# KiCad board reviung_ish_56_lp.kicad_pcb
note: AISLER Project ID: WPRPZBAD
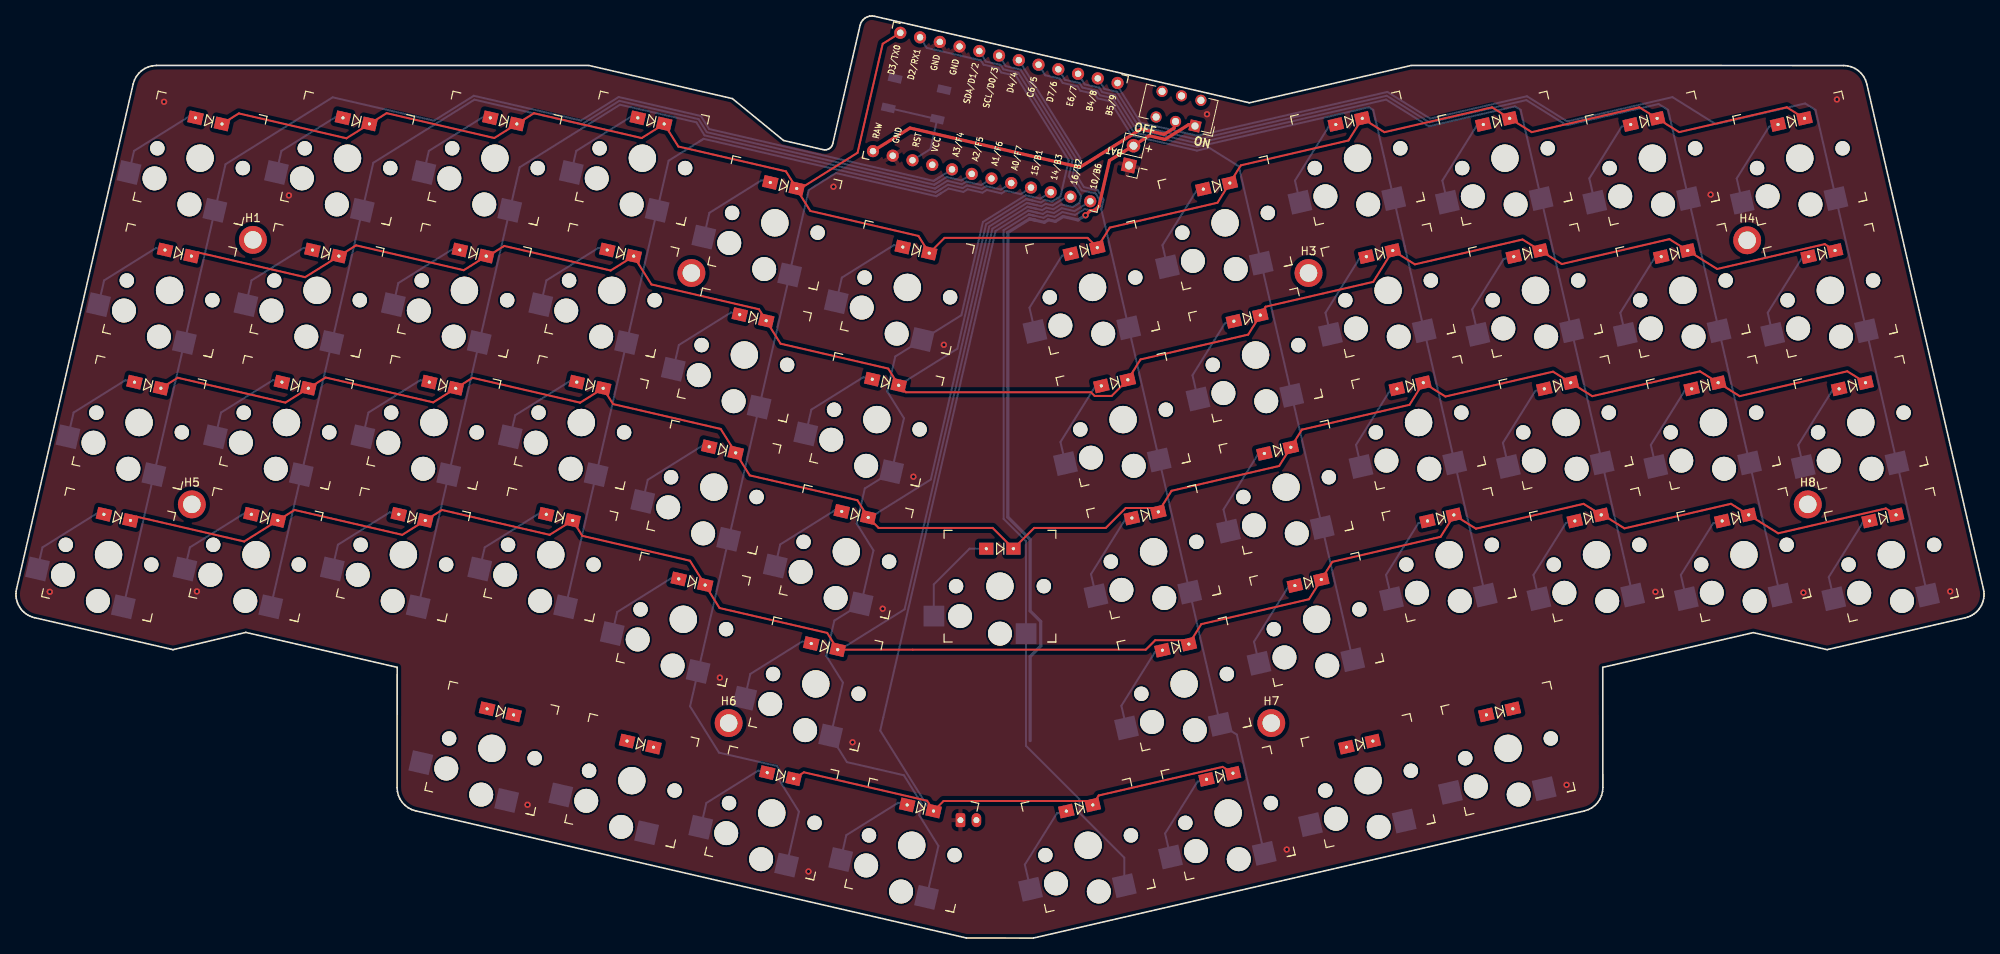
[diagram p0: board, top side]
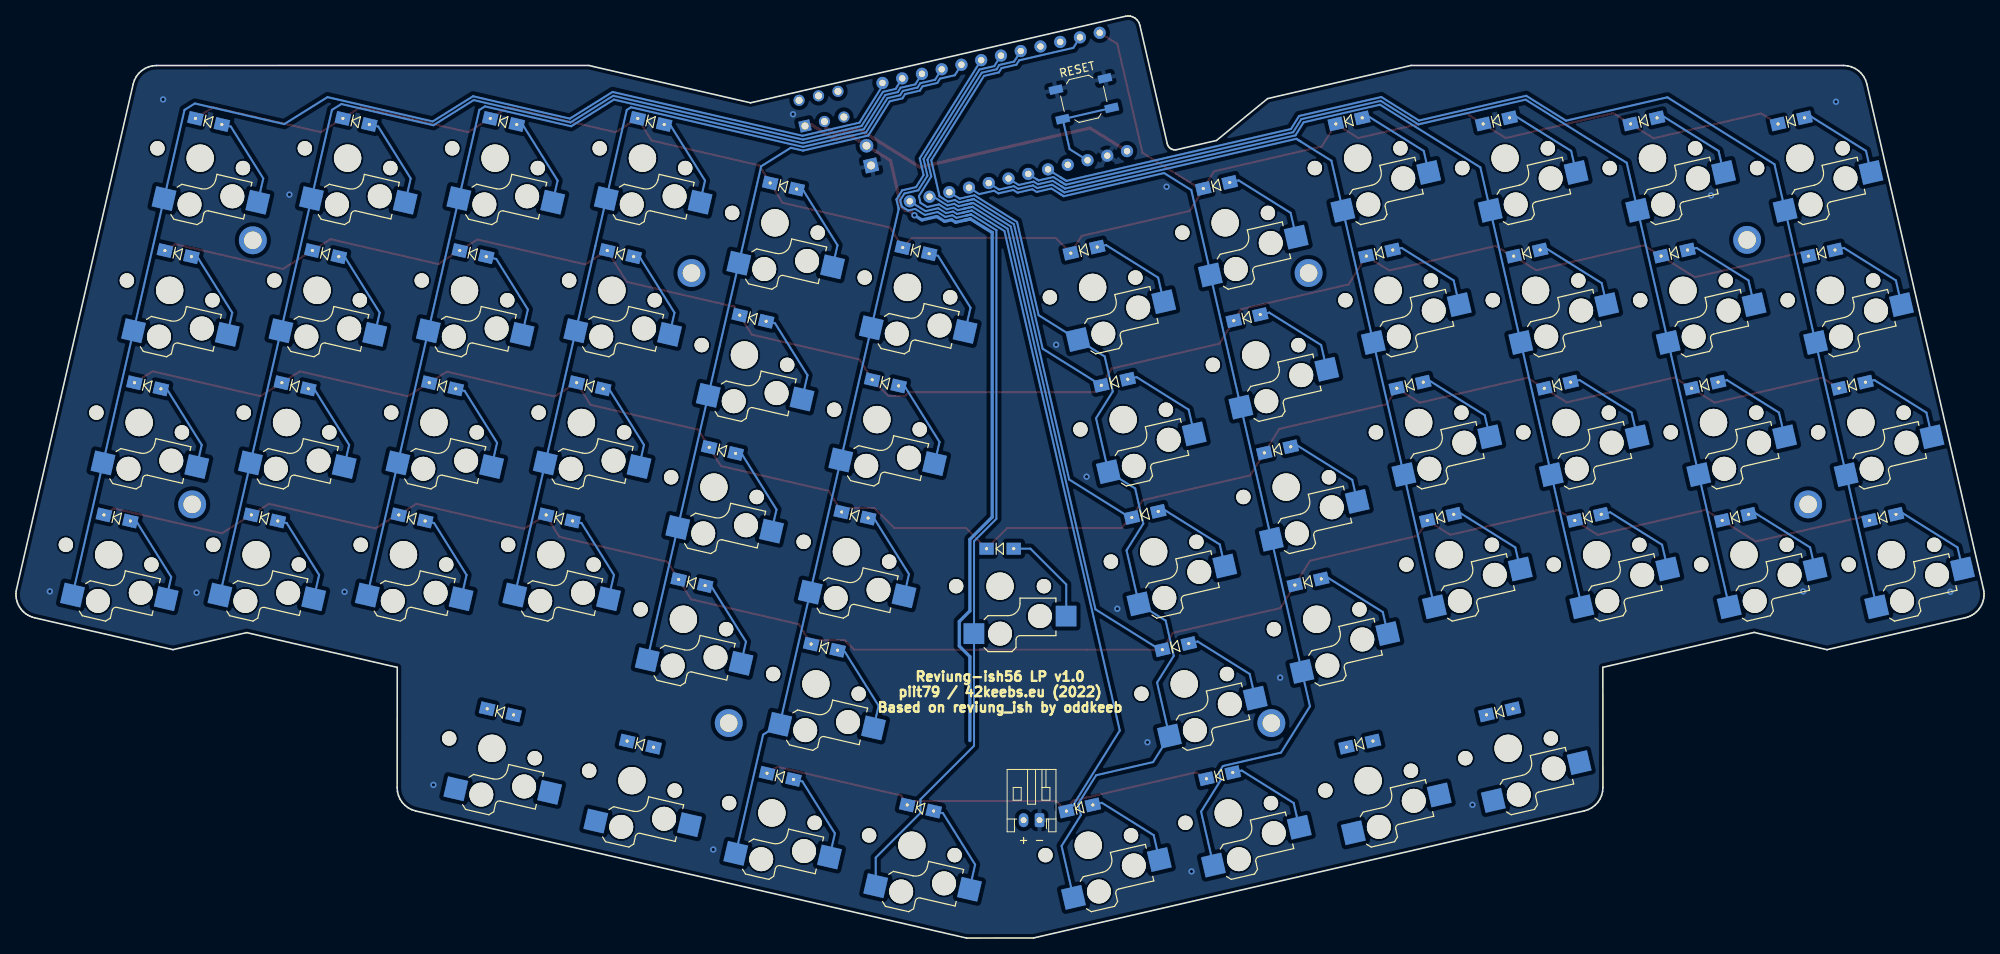
[diagram p1: board, bottom side, seen from below]

Outline 246.63 x 115.57 mm; copper layers: Top, Bottom. Coordinates in mm from the lower left corner of the outline.
Outline path: 0,43.16 0.01,42.87 0.04,42.58 0.1,42.29 0.19,42.01 0.31,41.74 0.45,41.49 0.62,41.24 0.82,41.02 1.03,40.81 1.26,40.63 1.5,40.47 1.76,40.34 2.04,40.23 2.32,40.15 19.68,36.14 28.8,38.31 47.77,33.93 47.76,18.87 47.8,18.35 47.93,17.86 48.13,17.41 48.41,17 48.75,16.64 49.15,16.34 49.59,16.1 50.08,15.94 119.11,0 127.5,0 196.54,15.93 197.03,16.09 197.47,16.32 197.87,16.62 198.21,16.99 198.49,17.4 198.69,17.85 198.82,18.34 198.86,18.86 198.85,33.93 217.7,38.28 226.95,36.14 244.3,40.14 244.6,40.23 244.88,40.34 245.14,40.48 245.39,40.64 245.61,40.82 245.82,41.02 246.01,41.24 246.17,41.48 246.31,41.73 246.43,41.99 246.52,42.27 246.58,42.55 246.62,42.84 246.63,43.14 246.6,43.44 246.55,43.74 231.94,107.03 231.78,107.52 231.55,107.97 231.24,108.37 230.88,108.7 230.47,108.98 230.02,109.19 229.53,109.31 229.02,109.36 174.83,109.36 154.57,104.68 107.58,115.53 107.29,115.57 106.99,115.55 106.71,115.47 106.38,115.3 106.11,115.05 105.91,114.75 105.78,114.41 102.36,99.56 102.3,99.37 102.2,99.2 102.07,99.06 101.92,98.94 101.74,98.85 101.55,98.8 101.35,98.79 101.16,98.81 96.19,99.96 89.78,105.21 71.79,109.36 17.61,109.36 17.09,109.32 16.61,109.19 16.15,108.98 15.74,108.71 15.38,108.37 15.08,107.97 14.84,107.53 14.68,107.04 0.08,43.75 0.02,43.46 0,43.16
Stack: Top 0.035mm / dielectric 1.51mm FR4 er 4.5 / Bottom 0.035mm

## Placement (name value [footprint] x y rotation side)
D_A0  D  [Diode_SOD123_dual_sided]  20.33 85.85 167 bottom
D_A1  D  [Diode_SOD123_dual_sided]  38.81 85.85 167 bottom
D_A2  D  [Diode_SOD123_dual_sided]  57.28 85.85 167 bottom
D_A3  D  [Diode_SOD123_dual_sided]  75.75 85.85 167 bottom
D_A4  D  [Diode_SOD123_dual_sided]  92.36 77.75 167 bottom
D_A5  D  [Diode_SOD123_dual_sided]  108.96 69.65 167 bottom
D_A6  D  [Diode_SOD123_dual_sided]  24.16 102.41 167 bottom
D_A7  D  [Diode_SOD123_dual_sided]  42.63 102.41 167 bottom
D_A8  D  [Diode_SOD123_dual_sided]  61.1 102.41 167 bottom
D_A9  D  [Diode_SOD123_dual_sided]  79.58 102.41 167 bottom
D_A10  D  [Diode_SOD123_dual_sided]  96.18 94.32 167 bottom
D_A11  D  [Diode_SOD123_dual_sided]  112.79 86.22 167 bottom
D_B0  D  [Diode_SOD123_dual_sided]  137.67 69.59 193 bottom
D_B1  D  [Diode_SOD123_dual_sided]  154.28 77.68 193 bottom
D_B2  D  [Diode_SOD123_dual_sided]  170.88 85.78 193 bottom
D_B3  D  [Diode_SOD123_dual_sided]  189.35 85.78 193 bottom
D_B4  D  [Diode_SOD123_dual_sided]  207.83 85.78 193 bottom
D_B5  D  [Diode_SOD123_dual_sided]  226.3 85.78 193 bottom
D_B6  D  [Diode_SOD123_dual_sided]  133.85 86.15 193 bottom
D_B7  D  [Diode_SOD123_dual_sided]  150.45 94.25 193 bottom
D_B8  D  [Diode_SOD123_dual_sided]  167.06 102.35 193 bottom
D_B9  D  [Diode_SOD123_dual_sided]  185.53 102.35 193 bottom
D_B10  D  [Diode_SOD123_dual_sided]  204 102.35 193 bottom
D_B11  D  [Diode_SOD123_dual_sided]  222.48 102.35 193 bottom
D_C0  D  [Diode_SOD123_dual_sided]  16.51 69.29 167 bottom
D_C1  D  [Diode_SOD123_dual_sided]  34.98 69.29 167 bottom
D_C2  D  [Diode_SOD123_dual_sided]  53.46 69.29 167 bottom
D_C3  D  [Diode_SOD123_dual_sided]  71.93 69.29 167 bottom
D_C4  D  [Diode_SOD123_dual_sided]  88.53 61.19 167 bottom
D_C5  D  [Diode_SOD123_dual_sided]  105.14 53.09 167 bottom
D_D0  D  [Diode_SOD123_dual_sided]  141.5 53.02 193 bottom
D_D1  D  [Diode_SOD123_dual_sided]  158.1 61.12 193 bottom
D_D2  D  [Diode_SOD123_dual_sided]  174.7 69.22 193 bottom
D_D3  D  [Diode_SOD123_dual_sided]  193.18 69.22 193 bottom
D_D4  D  [Diode_SOD123_dual_sided]  211.65 69.22 193 bottom
D_D5  D  [Diode_SOD123_dual_sided]  230.12 69.22 193 bottom
D_D6  D  [Diode_SOD123_dual_sided]  123.29 48.8 180 bottom
D_E0  D  [Diode_SOD123_dual_sided]  12.69 52.72 167 bottom
D_E1  D  [Diode_SOD123_dual_sided]  31.16 52.72 167 bottom
D_E2  D  [Diode_SOD123_dual_sided]  49.63 52.72 167 bottom
D_E3  D  [Diode_SOD123_dual_sided]  68.11 52.72 167 bottom
D_E4  D  [Diode_SOD123_dual_sided]  84.71 44.62 167 bottom
D_E5  D  [Diode_SOD123_dual_sided]  101.31 36.53 167 bottom
D_F0  D  [Diode_SOD123_dual_sided]  145.32 36.46 193 bottom
D_F1  D  [Diode_SOD123_dual_sided]  161.92 44.56 193 bottom
D_F2  D  [Diode_SOD123_dual_sided]  178.53 52.65 193 bottom
D_F3  D  [Diode_SOD123_dual_sided]  197 52.65 193 bottom
D_F4  D  [Diode_SOD123_dual_sided]  215.48 52.65 193 bottom
D_F5  D  [Diode_SOD123_dual_sided]  233.95 52.65 193 bottom
D_G0  D  [Diode_SOD123_dual_sided]  78.23 24.3 167 bottom
D_G1  D  [Diode_SOD123_dual_sided]  95.8 20.35 167 bottom
D_G2  D  [Diode_SOD123_dual_sided]  133.28 16.3 193 bottom
D_G3  D  [Diode_SOD123_dual_sided]  150.85 20.27 193 bottom
D_G4  D  [Diode_SOD123_dual_sided]  168.38 24.3 193 bottom
D_G5  D  [Diode_SOD123_dual_sided]  60.7 28.35 167 bottom
D_G6  D  [Diode_SOD123_dual_sided]  185.92 28.35 193 bottom
D_G7  D  [Diode_SOD123_dual_sided]  113.33 16.3 167 bottom
H1  Hole_Pad  [MountingHole_2.2mm_M2_ISO7380_Pad]  29.69 87.5 0 top
H2  Hole_Pad  [MountingHole_2.2mm_M2_ISO7380_Pad]  84.64 83.35 0 top
H3  Hole_Pad  [MountingHole_2.2mm_M2_ISO7380_Pad]  161.97 83.35 0 top
H4  Hole_Pad  [MountingHole_2.2mm_M2_ISO7380_Pad]  216.94 87.45 0 top
H5  Hole_Pad  [MountingHole_2.2mm_M2_ISO7380_Pad]  22.04 54.35 0 top
H6  Hole_Pad  [MountingHole_2.2mm_M2_ISO7380_Pad]  89.31 26.94 0 top
H7  Hole_Pad  [MountingHole_2.2mm_M2_ISO7380_Pad]  157.31 26.94 0 top
H8  Hole_Pad  [MountingHole_2.2mm_M2_ISO7380_Pad]  224.54 54.35 0 top
J1  BAT  [PinHeader_1x02_P2.54mm_Vertical]  139.47 96.83 167 top
J2  BATTERY  [JST_PH_S2B-PH-K_1x02_P2.00mm_Horizontal]  118.36 14.78 0 bottom
LOGO1  42_Keebs_Logo  [42Keebs-icon-10mm-Mask]  123.31 60 0 top
SW1  POWER  [SW_CuK_JS202011AQN_DPDT_Angled]  147.75 101.78 167 top
SW2  RESET  [SW_SPST_TL3342]  112.81 105.18 347 bottom
SwA0  SW_Push  [Kailh_socket_PG1350_1u_sw_cap]  19.25 81.18 347 top
SwA1  SW_Push  [Kailh_socket_PG1350_1u_sw_cap]  37.73 81.18 347 top
SwA2  SW_Push  [Kailh_socket_PG1350_1u_sw_cap]  56.2 81.18 347 top
SwA3  SW_Push  [Kailh_socket_PG1350_1u_sw_cap]  74.67 81.18 347 top
SwA4  SW_Push  [Kailh_socket_PG1350_1u_sw_cap]  91.28 73.08 347 top
SwA5  SW_Push  [Kailh_socket_PG1350_1u_sw_cap]  107.88 64.98 347 top
SwA6  SW_Push  [Kailh_socket_PG1350_1u_sw_cap]  23.08 97.74 347 top
SwA7  SW_Push  [Kailh_socket_PG1350_1u_sw_cap]  41.55 97.74 347 top
SwA8  SW_Push  [Kailh_socket_PG1350_1u_sw_cap]  60.02 97.74 347 top
SwA9  SW_Push  [Kailh_socket_PG1350_1u_sw_cap]  78.5 97.74 347 top
SwA10  SW_Push  [Kailh_socket_PG1350_1u_sw_cap]  95.1 89.64 347 top
SwA11  SW_Push  [Kailh_socket_PG1350_1u_sw_cap]  111.7 81.54 347 top
SwB0  SW_Push  [Kailh_socket_PG1350_1u_sw_cap]  138.74 64.98 13 top
SwB1  SW_Push  [Kailh_socket_PG1350_1u_sw_cap]  155.34 73.08 13 top
SwB2  SW_Push  [Kailh_socket_PG1350_1u_sw_cap]  171.94 81.18 13 top
SwB3  SW_Push  [Kailh_socket_PG1350_1u_sw_cap]  190.42 81.18 13 top
SwB4  SW_Push  [Kailh_socket_PG1350_1u_sw_cap]  208.89 81.18 13 top
SwB5  SW_Push  [Kailh_socket_PG1350_1u_sw_cap]  227.36 81.18 13 top
SwB6  SW_Push  [Kailh_socket_PG1350_1u_sw_cap]  134.91 81.54 13 top
SwB7  SW_Push  [Kailh_socket_PG1350_1u_sw_cap]  151.52 89.64 13 top
SwB8  SW_Push  [Kailh_socket_PG1350_1u_sw_cap]  168.12 97.74 13 top
SwB9  SW_Push  [Kailh_socket_PG1350_1u_sw_cap]  186.59 97.74 13 top
SwB10  SW_Push  [Kailh_socket_PG1350_1u_sw_cap]  205.07 97.74 13 top
SwB11  SW_Push  [Kailh_socket_PG1350_1u_sw_cap]  223.54 97.74 13 top
SwC0  SW_Push  [Kailh_socket_PG1350_1u_sw_cap]  15.43 64.61 347 top
SwC1  SW_Push  [Kailh_socket_PG1350_1u_sw_cap]  33.9 64.61 347 top
SwC2  SW_Push  [Kailh_socket_PG1350_1u_sw_cap]  52.37 64.61 347 top
SwC3  SW_Push  [Kailh_socket_PG1350_1u_sw_cap]  70.85 64.61 347 top
SwC4  SW_Push  [Kailh_socket_PG1350_1u_sw_cap_home]  87.45 56.51 347 top
SwC5  SW_Push  [Kailh_socket_PG1350_1u_sw_cap]  104.06 48.42 347 top
SwD0  SW_Push  [Kailh_socket_PG1350_1u_sw_cap]  142.56 48.42 13 top
SwD1  SW_Push  [Kailh_socket_PG1350_1u_sw_cap_home]  159.16 56.51 13 top
SwD2  SW_Push  [Kailh_socket_PG1350_1u_sw_cap]  175.77 64.61 13 top
SwD3  SW_Push  [Kailh_socket_PG1350_1u_sw_cap]  194.24 64.61 13 top
SwD4  SW_Push  [Kailh_socket_PG1350_1u_sw_cap]  212.72 64.61 13 top
SwD5  SW_Push  [Kailh_socket_PG1350_1u_sw_cap]  231.19 64.61 13 top
SwD6  SW_Push  [Kailh_socket_PG1350_1u_sw_cap]  123.31 44.1 0 top
SwE0  SW_Push  [Kailh_socket_PG1350_1u_sw_cap]  11.6 48.05 347 top
SwE1  SW_Push  [Kailh_socket_PG1350_1u_sw_cap]  30.08 48.05 347 top
SwE2  SW_Push  [Kailh_socket_PG1350_1u_sw_cap]  48.55 48.05 347 top
SwE3  SW_Push  [Kailh_socket_PG1350_1u_sw_cap]  67.02 48.05 347 top
SwE4  SW_Push  [Kailh_socket_PG1350_1u_sw_cap]  83.63 39.95 347 top
SwE5  SW_Push  [Kailh_socket_PG1350_1u_sw_cap]  100.23 31.85 347 top
SwF0  SW_Push  [Kailh_socket_PG1350_1u_sw_cap]  146.38 31.85 13 top
SwF1  SW_Push  [Kailh_socket_PG1350_1u_sw_cap]  162.99 39.95 13 top
SwF2  SW_Push  [Kailh_socket_PG1350_1u_sw_cap]  179.59 48.05 13 top
SwF3  SW_Push  [Kailh_socket_PG1350_1u_sw_cap]  198.07 48.05 13 top
SwF4  SW_Push  [Kailh_socket_PG1350_1u_sw_cap]  216.54 48.05 13 top
SwF5  SW_Push  [Kailh_socket_PG1350_1u_sw_cap]  235.01 48.05 13 top
SwG0  SW_Push  [Kailh_socket_PG1350_1u_sw_cap]  77.18 19.73 347 top
SwG1  SW_Push  [Kailh_socket_PG1350_1u_sw_cap]  94.72 15.68 347 top
SwG2  SW_Push  [Kailh_socket_PG1350_1u_sw_cap]  134.36 11.63 13 top
SwG3  SW_Push  [Kailh_socket_PG1350_1u_sw_cap]  151.9 15.68 13 top
SwG4  SW_Push  [Kailh_socket_PG1350_1u_sw_cap]  169.44 19.73 13 top
SwG5  SW_Push  [Kailh_socket_PG1350_1u_sw_cap]  59.64 23.78 347 top
SwG6  SW_Push  [Kailh_socket_PG1350_1u_sw_cap]  186.98 23.78 13 top
SwG7  SW_Push  [Kailh_socket_PG1350_1u_sw_cap]  112.26 11.63 347 top
U1  ProMicro  [ProMicro-USB-C]  123.22 102.78 77 top

## Footprints (pads in the part's own frame, mm; a bottom-side part is the same pattern mirrored in y, then rotated)
Diode_SOD123_dual_sided
  rect 1.8x1.5 hole 0.4: 1(-1.7,0) 2(1.7,0)
JST_PH_S2B-PH-K_1x02_P2.00mm_Horizontal
  rrect 1.2x1.75 hole 0.75: 1(0,0)
  oval 1.2x1.75 hole 0.75: 2(2,0)
Kailh_socket_PG1350_1u_sw_cap
  round 1.8 hole 1.8 unplated: (-5.5,0) (5.5,0)
  round 3 hole 3 unplated: (-5,-3.75) (0,-5.95)
  round 3.429 hole 3.429 unplated: (0,0)
  rect 2.6x2.6 smd far side: 1(3.275,-5.95) 2(-8.275,-3.75)
Kailh_socket_PG1350_1u_sw_cap_home
  round 1.8 hole 1.8 unplated: (-5.5,0) (5.5,0)
  round 3 hole 3 unplated: (-5,-3.75) (0,-5.95)
  round 3.429 hole 3.429 unplated: (0,0)
  rect 2.6x2.6 smd far side: 1(3.275,-5.95) 2(-8.275,-3.75)
MountingHole_2.2mm_M2_ISO7380_Pad
  round 3.5 hole 2.2: 1(0,0)
PinHeader_1x02_P2.54mm_Vertical
  rect 1.7x1.7 hole 1: 1(0,0)
  oval 1.7x1.7 hole 1: 2(0,-2.54)
ProMicro-USB-C
  round 1.524 hole 0.813: 1(7.611,14.478) 2(7.611,11.938) 3(7.611,9.398) 4(7.611,6.858) 5(7.611,4.318) 6(7.611,1.778) 7(7.611,-0.762) 8(7.611,-3.302) 9(7.611,-5.842) 10(7.611,-8.382) 11(7.611,-10.922) 12(7.611,-13.462) 13(-7.609,-13.462) 14(-7.609,-10.922) 15(-7.609,-8.382) 16(-7.609,-5.842) 17(-7.609,-3.302) 18(-7.609,-0.762) 19(-7.609,1.778) 20(-7.609,4.318) 21(-7.609,6.858) 22(-7.609,9.398) 23(-7.609,11.938) 24(-7.609,14.478)
SW_CuK_JS202011AQN_DPDT_Angled
  rect 1.4x1.4 hole 0.9: 1(0,0)
  round 1.4 hole 0.9: 2(2.5,0) 3(5,0) 4(0,-3.3) 5(2.5,-3.3) 6(5,-3.3)
SW_SPST_TL3342
  rect 1.7x1 smd: 1(-3.15,1.9) 1(3.15,1.9) 2(-3.15,-1.9) 2(3.15,-1.9)

## Nets
GND: J1.1 J2.1 SW2.2 U1.3 U1.4 U1.23
BAT: J1.2 J2.2 SW1.1
col0: SwA0.1 SwA6.1 SwC0.1 SwE0.1 U1.20
col1: SwA1.1 SwA7.1 SwC1.1 SwE1.1 U1.19
col2: SwA2.1 SwA8.1 SwC2.1 SwE2.1 SwG5.1 U1.18
col3: SwA3.1 SwA9.1 SwC3.1 SwE3.1 SwG0.1 U1.17
col4: SwA4.1 SwA10.1 SwC4.1 SwE4.1 SwG1.1 U1.16
col5: SwA5.1 SwA11.1 SwC5.1 SwE5.1 SwG7.1 U1.15
col6: SwD6.1 SwG2.1 U1.6
col7: SwB0.1 SwB6.1 SwD0.1 SwF0.1 SwG3.1 U1.7
col8: SwB1.1 SwB7.1 SwD1.1 SwF1.1 SwG4.1 U1.8
col9: SwB2.1 SwB8.1 SwD2.1 SwF2.1 SwG6.1 U1.9
col10: SwB3.1 SwB9.1 SwD3.1 SwF3.1 U1.10
col11: SwB4.1 SwB10.1 SwD4.1 SwF4.1 U1.11
col12: SwB5.1 SwB11.1 SwD5.1 SwF5.1 U1.12
RAW: SW1.2 U1.24
row0: D_A6.1 D_A7.1 D_A8.1 D_A9.1 D_A10.1 D_A11.1 D_B6.1 D_B7.1 D_B8.1 D_B9.1 D_B10.1 D_B11.1 U1.1
row1: D_A0.1 D_A1.1 D_A2.1 D_A3.1 D_A4.1 D_A5.1 D_B0.1 D_B1.1 D_B2.1 D_B3.1 D_B4.1 D_B5.1 U1.2
row2: D_C0.1 D_C1.1 D_C2.1 D_C3.1 D_C4.1 D_C5.1 D_D0.1 D_D1.1 D_D2.1 D_D3.1 D_D4.1 D_D5.1 D_D6.1 U1.14
row3: D_E0.1 D_E1.1 D_E2.1 D_E3.1 D_E4.1 D_E5.1 D_F0.1 D_F1.1 D_F2.1 D_F3.1 D_F4.1 D_F5.1 U1.5
row4: D_G0.1 D_G1.1 D_G2.1 D_G3.1 D_G4.1 D_G5.1 D_G6.1 D_G7.1 U1.13
RST: SW2.1 U1.22
Net-(D_A0-Pad2): D_A0.2 SwA0.2
Net-(D_A1-Pad2): D_A1.2 SwA1.2
Net-(D_A2-Pad2): D_A2.2 SwA2.2
Net-(D_A3-Pad2): D_A3.2 SwA3.2
Net-(D_A4-Pad2): D_A4.2 SwA4.2
Net-(D_A5-Pad2): D_A5.2 SwA5.2
Net-(D_A6-Pad2): D_A6.2 SwA6.2
Net-(D_A7-Pad2): D_A7.2 SwA7.2
Net-(D_A8-Pad2): D_A8.2 SwA8.2
Net-(D_A9-Pad2): D_A9.2 SwA9.2
Net-(D_A10-Pad2): D_A10.2 SwA10.2
Net-(D_A11-Pad2): D_A11.2 SwA11.2
Net-(D_B0-Pad2): D_B0.2 SwB0.2
Net-(D_B1-Pad2): D_B1.2 SwB1.2
Net-(D_B2-Pad2): D_B2.2 SwB2.2
Net-(D_B3-Pad2): D_B3.2 SwB3.2
Net-(D_B4-Pad2): D_B4.2 SwB4.2
Net-(D_B5-Pad2): D_B5.2 SwB5.2
Net-(D_B6-Pad2): D_B6.2 SwB6.2
Net-(D_B7-Pad2): D_B7.2 SwB7.2
Net-(D_B8-Pad2): D_B8.2 SwB8.2
Net-(D_B9-Pad2): D_B9.2 SwB9.2
Net-(D_B10-Pad2): D_B10.2 SwB10.2
Net-(D_B11-Pad2): D_B11.2 SwB11.2
Net-(D_C0-Pad2): D_C0.2 SwC0.2
Net-(D_C1-Pad2): D_C1.2 SwC1.2
Net-(D_C2-Pad2): D_C2.2 SwC2.2
Net-(D_C3-Pad2): D_C3.2 SwC3.2
Net-(D_C4-Pad2): D_C4.2 SwC4.2
Net-(D_C5-Pad2): D_C5.2 SwC5.2
Net-(D_D0-Pad2): D_D0.2 SwD0.2
Net-(D_D1-Pad2): D_D1.2 SwD1.2
Net-(D_D2-Pad2): D_D2.2 SwD2.2
Net-(D_D3-Pad2): D_D3.2 SwD3.2
Net-(D_D4-Pad2): D_D4.2 SwD4.2
Net-(D_D5-Pad2): D_D5.2 SwD5.2
Net-(D_D6-Pad2): D_D6.2 SwD6.2
Net-(D_E0-Pad2): D_E0.2 SwE0.2
Net-(D_E1-Pad2): D_E1.2 SwE1.2
Net-(D_E2-Pad2): D_E2.2 SwE2.2
Net-(D_E3-Pad2): D_E3.2 SwE3.2
Net-(D_E4-Pad2): D_E4.2 SwE4.2
Net-(D_E5-Pad2): D_E5.2 SwE5.2
Net-(D_F0-Pad2): D_F0.2 SwF0.2
Net-(D_F1-Pad2): D_F1.2 SwF1.2
Net-(D_F2-Pad2): D_F2.2 SwF2.2
Net-(D_F3-Pad2): D_F3.2 SwF3.2
Net-(D_F4-Pad2): D_F4.2 SwF4.2
Net-(D_F5-Pad2): D_F5.2 SwF5.2
Net-(D_G0-Pad2): D_G0.2 SwG0.2
Net-(D_G1-Pad2): D_G1.2 SwG1.2
Net-(D_G2-Pad2): D_G2.2 SwG2.2
Net-(D_G3-Pad2): D_G3.2 SwG3.2
Net-(D_G4-Pad2): D_G4.2 SwG4.2
Net-(D_G5-Pad2): D_G5.2 SwG5.2
Net-(D_G6-Pad2): D_G6.2 SwG6.2
Net-(D_G7-Pad2): D_G7.2 SwG7.2

Pads without a net: H1 1; H2 1; H3 1; H4 1; H5 1; H6 1; H7 1; H8 1; SW1 3 4 5 6; U1 21

## Via types
v1: diameter 0.8, hole 0.4, Top to Bottom, 21 vias

## Routing (per net, layer and track width the routed paths; a pad name or vN(x,y) marks a point on that pad's centre or on a via; arc(x,y) is an arc through that point)
GND:
  vias: v1(4.23,43.39) v1(18.56,104.81) v1(22.67,43.44) v1(34.21,93.08) v1(64.11,16.7) v1(88.21,32.64) v1(99.31,8.34) v1(102.44,94.16) v1(104.84,24.53) v1(108.62,41.27) v1(112.47,57.82) v1(116.28,74.36) v1(149.25,103.25) v1(159.25,11.09) v1(194.31,19.19) v1(205.45,43.39) v1(212.36,93.18) v1(223.99,43.29) v1(228.19,105.1) v1(242.38,43.44)
BAT: length 97.7
  Top w0.4: 140.05,99.33 142.01,100.56 144,100.1 146.97,101.96 SW1.1 ; v1(134.03,90.59) 134.61,91.17 135.16,91.17 135.71,91.72 137.03,97.44 140.02,99.31 J1.2
  Bottom w0.4: 127.72,89.97 128.86,89.71 129.37,90.02 130.25,89.82 131.23,90.43 133.09,90 v1(134.03,90.59) ; 127.72,89.97 127.02,90.13 ; 127.72,89.97 127.02,90.13 ; 127.09,24.75 127.09,35.28 128.42,36.6 128.42,39.67 127.09,41 127.09,49.96 124.29,52.76 124.29,88.42 124.3,88.44 127.02,90.13
col0: length 156
  Bottom w0.25: 115.76,95.37 117.29,96.33 ; 115.76,95.37 115,94.9 ; 115.76,95.37 115,94.9 ; 115,94.9 86.85,101.39 85.83,103.03 75.53,105.41 70.81,102.46 57.37,105.56 52.38,102.44 39.68,105.37 26.26,96.98 SwA6.1 SwA0.1 17.28,58.08 SwC0.1 SwE0.1
col1: length 138.8
  Bottom w0.25: 115.08,94.42 115.73,94.82 ; 115.08,94.42 86.57,101 85.55,102.63 75.61,104.93 70.88,101.97 57.44,105.08 44.78,97.16 SwA7.1 SwA1.1 35.75,58.08 SwE1.1 ; 115.08,94.42 115.73,94.82 ; 115.73,94.82 116.62,95.38 118.48,94.95 119.77,95.76
col2: length 121.1
  Bottom w0.25: 115.64,94.23 115.16,93.94 ; 115.64,94.23 116.7,94.9 118.56,94.47 119.1,94.81 120.95,94.38 122.24,95.19 ; 115.64,94.23 115.16,93.94 ; 115.16,93.94 86.29,100.6 85.27,102.23 75.69,104.45 63.12,96.59 SwA8.1 SwA2.1 SwC2.1 SwE2.1
col3: length 104.1
  Bottom w0.25: SwE3.1 72.7,58.08 SwA3.1 SwA9.1 81.79,97.43 85.66,99.85 ; 115.94,93.89 116.78,94.42 118.64,93.99 119.18,94.33 121.03,93.9 121.57,94.24 123.43,93.81 124.72,94.61 ; 115.94,93.89 115.24,93.46 ; 115.94,93.89 115.24,93.46 ; 85.66,99.85 86.17,100.17 ; 85.66,99.85 86.17,100.17 ; 115.24,93.46 86.17,100.17
col4: length 124.6
  Bottom w0.25: 115.87,93.32 115.32,92.97 102.75,95.88 99.35,93.75 96.91,83.18 SwA10.1 SwA4.1 SwC4.1 SwE4.1 84.47,29.04 88.1,23.24 95.39,21.55 95.87,20.77 95.65,19.79 98.12,15.84 SwG1.1 ; 115.87,93.32 115.32,92.98 ; 115.87,93.32 116.87,93.94 118.72,93.51 119.26,93.85 121.11,93.42 121.65,93.76 123.51,93.33 124.05,93.67 125.9,93.24 127.19,94.04
col5: length 113.5
  Bottom w0.25: U1.15 128.37,92.67 126.52,93.09 121.17,89.75 118.48,78.06 113.58,75 SwA11.1 113.55,74.99 110.19,72.89 109.18,68.5 111.28,65.14 SwA5.1 106.37,56.35 105.36,51.94 107.46,48.58 SwC5.1 102.55,39.79 101.53,35.37 103.63,32.02 SwE5.1 104.13,22.05 111.27,20.4 113.5,16.83 113.18,15.41 115.6,11.54 SwG7.1
col6: length 127.3
  Bottom w0.25: 126.93,90.69 123.77,88.72 123.77,88.72 123.77,52.54 126.57,49.74 126.57,38.15 ; 126.93,90.69 127.38,90.59 ; 126.93,90.69 127.57,90.54 ; 126.93,90.69 127.38,90.59 ; 126.57,38.14 SwD6.1 126.57,38.14 ; 126.57,38.14 126.57,24.09 133.28,17.38 133.28,15.68 138.89,10.07 SwG2.1 ; 123.2,110.61 124.03,109.28 125.88,108.85 132.89,97.64 132.41,95.54 133.55,93.72 135.29,93.32 135.81,92.49 135.62,91.69 134.81,91.18 133.94,91.38 132.72,90.62 131.13,90.99 130.15,90.38 129.27,90.58 128.77,90.27 127.57,90.54 ; 127.38,90.59 127.57,90.54
col7: length 106.8
  Bottom w0.25: U1.7 125.68,110.02 132.85,98.55 133.37,97.72 132.89,95.62 133.83,94.12 135.58,93.71 136.29,92.57 136.01,91.37 136.01,91.36 SwB6.1 SwB0.1 SwD0.1 SwF0.1 152.99,25.49 SwG3.1
col8: length 93.7
  Bottom w0.25: SwF1.1 SwD1.1 SwB1.1 SwB7.1 153.24,96.72 149.53,99.05 147.99,98.69 139.81,100.58 137.13,104.87 135.54,105.24 135.21,105.78 133.36,106.2 133.02,106.74 131.17,107.17 130.83,107.71 128.98,108.14 128.15,109.46
col9: length 106.6
  Bottom w0.25: SwF2.1 SwD2.1 SwB2.1 174.03,86.7 SwB8.1 170.09,103.79 169.54,104.13 148,99.15 140.09,100.98 137.42,105.27 135.83,105.63 135.49,106.17 133.64,106.6 133.31,107.14 131.45,107.57 130.62,108.89
col10: length 123.6
  Bottom w0.25: SwF3.1 SwD3.1 SwB3.1 SwB9.1 188.56,103.79 187.85,104.23 177.05,101.74 171.7,105.09 148,99.62 140.38,101.38 137.7,105.66 136.11,106.03 135.77,106.57 133.93,106.99 133.1,108.32
col11: length 140.5
  Bottom w0.25: SwF4.1 SwD4.1 SwB4.1 207.03,103.79 205.84,104.53 194.31,101.87 189.26,105.02 177.13,102.22 171.78,105.57 148,100.08 140.66,101.77 137.98,106.06 136.39,106.43 U1.11
col12: length 157.4
  Bottom w0.25: SwF5.1 SwD5.1 SwB5.1 SwB11.1 225.51,103.79 224.21,104.6 212.99,102.01 207.58,105.39 194.39,102.35 189.34,105.5 177.21,102.7 171.86,106.05 148.04,100.55 140.93,102.19 137.98,106.9
RAW: length 41.6
  Top w0.4: SW1.2 145.12,101.51 143.89,100.74 141.01,101.4 133.33,96.6 112.03,101.52 U1.24
row0: length 245.3
  Top w0.25: D_A10.1 97.83,93.88 99.54,91.13 113.09,88 D_A11.1 116.36,87.75 134.29,87.75 D_B6.1 137.07,89.04 150.56,92.16 153.49,96.85 166.98,99.96 D_B8.1 171.48,101 184.97,104.11 189.95,101 203.44,104.12 208.41,101.01 221.9,104.12 D_B11.1 ; D_A10.1 98.16,93.86 105.46,98.42 108.62,112.08 U1.1 ; D_A10.1 97.98,93.9 ; D_A10.1 96.49,96.09 83,99.2 D_A9.1 78.41,100.26 64.92,103.38 59.94,100.27 46.45,103.38 41.41,100.24 27.92,103.35 D_A6.1
row1: length 294.1
  Top w0.25: D_A0.1 22.75,85.94 36.24,82.83 42.62,86.82 56.11,83.7 D_A2.1 59.08,85.43 61.18,86.74 74.52,83.66 D_A3.1 79.63,81.92 93.12,78.8 D_A4.1 95.82,74.49 109.3,71.37 D_A5.1 110.65,69.27 111.52,68.4 134.72,68.4 135.17,67.94 137.31,67.94 D_B0.1 140.92,72.52 154.41,75.63 D_B1.1 156.6,79.13 170.09,82.24 D_B2.1 175.3,84.44 188.79,87.55 193.71,84.48 207.2,87.59 213.18,83.86 226.67,86.97 D_B5.1
  Bottom w0.25: D_A5.1 117.97,73.86 121.57,89.47 126.6,92.61 ; 113.3,112.89 114.13,111.57 120.92,110 121.26,109.46 123.12,109.03 123.46,108.49 125.32,108.06 131.93,97.48 130.89,92.96 129.83,92.3 128.95,92.5 128.45,92.19 127.39,92.43 ; 127.39,92.43 126.6,92.61 ; 127.39,92.43 126.6,92.61
row2: length 292
  Top w0.25: 142.66,53.9 142.35,53.9 ; 142.66,53.9 D_D0.1 144.81,56.05 158.3,59.17 159.76,61.5 161.14,63.72 174.63,66.83 D_D2.1 179.13,67.87 192.62,70.99 197.53,67.91 211.02,71.03 216,67.92 229.49,71.03 D_D5.1 ; 142.66,53.9 142.35,53.9 ; 142.35,53.9 139.07,53.9 136.57,51.4 127.6,51.4 D_D6.1 123.78,50.01 122.39,51.4 108.1,51.4 D_C5.1 105.44,54.87 91.95,57.98 88.32,63.81 74.83,66.92 D_C3.1 70.7,67.1 57.21,70.21 52.29,67.14 38.8,70.25 33.76,67.1 20.27,70.22 D_C0.1
  Bottom w0.25: 127.93,91.85 126.68,92.13 ; 127.93,91.85 126.68,92.13 ; 127.93,91.85 128.53,91.71 129.03,92.02 129.91,91.82 131.79,92.99 ; 126.68,92.13 121.97,89.19 114.65,57.47 106.96,52.67 D_C5.1
row3: length 338.9
  Top w0.25: D_F5.1 234.32,53.84 220.83,50.73 214.91,54.43 201.56,51.35 198.8,53.07 D_F3.1 196.44,54.42 182.95,51.31 D_F2.1 180.2,52.96 178.53,50.29 164.97,47.15 162.03,42.46 148.54,39.35 D_F0.1 146.48,37.33 142.77,37.33 141.59,36.14 112.38,36.14 D_E5.1 101.66,38.25 88.17,41.36 84.46,47.29 70.97,50.41 D_E3.1 66.87,50.53 53.38,53.65 48.4,50.54 34.91,53.65 D_E1.1 28.59,49.7 15.1,52.81 D_E0.1
  Bottom w0.25: 120.72,111.17 121.54,109.85 123.41,109.42 123.74,108.88 125.6,108.45 132.06,98.11 132.41,97.56 131.93,95.46 133.47,92.99 133.28,92.15 132.43,91.62 130.97,91.95 129.99,91.34 129.11,91.54 128.61,91.23 127.82,91.41 ; 127.82,91.41 126.76,91.65 ; 127.82,91.41 126.76,91.65 ; 126.76,91.65 122.36,88.9 111.35,41.19 103.19,36.09 D_E5.1
row4: length 149.5
  Top w0.25: D_G1.1 98.74,20.77 114.18,17.21 D_G7.1 116.25,17.18 134.44,17.18 D_G2.1 135.68,17.87 151.22,21.46 D_G3.1
  Bottom w0.25: D_G7.1 114.54,16.02 108.3,26 108.68,27.64 122.76,88.62 126.85,91.17 ; 128.01,90.9 126.85,91.17 ; 128.01,90.9 128.69,90.75 129.19,91.06 130.07,90.86 131.05,91.47 132.64,91.1 U1.13 ; 128.01,90.9 126.85,91.17
RST: length 12.8
  Bottom w0.25: SW2.1 SW2.1 114.59,98.87 112.34,97.47
Net-(D_A0-Pad2): length 11.9
  Bottom w0.25: D_A0.2 17.56,86.49 11.05,82.42 SwA0.2
Net-(D_A1-Pad2): length 11.9
  Bottom w0.25: D_A1.2 36.03,86.49 29.52,82.42 SwA1.2
Net-(D_A2-Pad2): length 11.7
  Bottom w0.25: D_A2.2 54.84,86.41 47.92,82.09 SwA2.2
Net-(D_A3-Pad2): length 11.9
  Bottom w0.25: D_A3.2 72.98,86.49 66.47,82.42 SwA3.2
Net-(D_A4-Pad2): length 11.9
  Bottom w0.25: SwA4.2 83.07,74.33 89.58,78.39 D_A4.2
Net-(D_A5-Pad2): length 11.9
  Bottom w0.25: D_A5.2 106.18,70.29 99.68,66.23 SwA5.2
Net-(D_A6-Pad2): length 11.7
  Bottom w0.25: SwA6.2 14.79,98.65 21.71,102.98 D_A6.2
Net-(D_A7-Pad2): length 11.7
  Bottom w0.25: D_A7.2 40.19,102.98 33.27,98.65 SwA7.2
Net-(D_A8-Pad2): length 11.7
  Bottom w0.25: SwA8.2 51.74,98.65 58.66,102.98 D_A8.2
Net-(D_A9-Pad2): length 11.7
  Bottom w0.25: SwA9.2 70.21,98.65 77.13,102.98 D_A9.2
Net-(D_A10-Pad2): length 11.9
  Bottom w0.25: D_A10.2 93.4,94.96 86.9,90.89 SwA10.2
Net-(D_A11-Pad2): length 11.9
  Bottom w0.25: SwA11.2 103.5,82.77 110.03,86.86 D_A11.2
Net-(D_B0-Pad2): length 11.7
  Bottom w0.25: SwB0.2 130.89,62.17 135.16,69.01 D_B0.2
Net-(D_B1-Pad2): length 11.9
  Bottom w0.25: D_B1.2 151.5,77.04 147.43,70.54 SwB1.2
Net-(D_B2-Pad2): length 11.7
  Bottom w0.25: D_B2.2 168.37,85.2 164.1,78.37 SwB2.2
Net-(D_B3-Pad2): length 12
  Bottom w0.25: D_B3.2 186.43,85.11 182.48,78.78 SwB3.2
Net-(D_B4-Pad2): length 11.7
  Bottom w0.25: D_B4.2 205.32,85.2 201.05,78.37 SwB4.2
Net-(D_B5-Pad2): length 11.7
  Bottom w0.25: SwB5.2 219.52,78.37 223.79,85.2 D_B5.2
Net-(D_B6-Pad2): length 11.9
  Bottom w0.25: D_B6.2 131.07,85.51 127.01,79 SwB6.2
Net-(D_B7-Pad2): length 11.7
  Bottom w0.25: SwB7.2 143.67,86.83 147.94,93.67 D_B7.2
Net-(D_B8-Pad2): length 11.7
  Bottom w0.25: SwB8.2 160.28,94.93 164.55,101.77 D_B8.2
Net-(D_B9-Pad2): length 11.7
  Bottom w0.25: SwB9.2 178.75,94.93 183.02,101.77 D_B9.2
Net-(D_B10-Pad2): length 11.9
  Bottom w0.25: D_B10.2 201.23,101.71 197.16,95.2 SwB10.2
Net-(D_B11-Pad2): length 11.9
  Bottom w0.25: SwB11.2 215.63,95.2 219.7,101.71 D_B11.2
Net-(D_C0-Pad2): length 11.9
  Bottom w0.25: SwC0.2 7.22,65.86 13.73,69.93 D_C0.2
Net-(D_C1-Pad2): length 11.9
  Bottom w0.25: D_C1.2 32.21,69.93 25.7,65.86 SwC1.2
Net-(D_C2-Pad2): length 11.9
  Bottom w0.25: D_C2.2 50.68,69.93 44.17,65.86 SwC2.2
Net-(D_C3-Pad2): length 11.7
  Bottom w0.25: SwC3.2 62.57,65.53 69.49,69.85 D_C3.2
Net-(D_C4-Pad2): length 11.7
  Bottom w0.25: D_C4.2 86.09,61.75 79.17,57.43 SwC4.2
Net-(D_C5-Pad2): length 11.7
  Bottom w0.25: D_C5.2 102.69,53.65 95.77,49.33 SwC5.2
Net-(D_D0-Pad2): length 11.7
  Bottom w0.25: SwD0.2 134.72,45.61 138.99,52.44 D_D0.2
Net-(D_D1-Pad2): length 11.7
  Bottom w0.25: D_D1.2 155.59,60.54 151.32,53.71 SwD1.2
Net-(D_D2-Pad2): length 11.7
  Bottom w0.25: D_D2.2 172.2,68.64 167.92,61.8 SwD2.2
Net-(D_D3-Pad2): length 11.9
  Bottom w0.25: SwD3.2 186.34,62.07 190.4,68.58 D_D3.2
Net-(D_D4-Pad2): length 11.7
  Bottom w0.25: SwD4.2 204.87,61.8 209.14,68.64 D_D4.2
Net-(D_D5-Pad2): length 11.7
  Bottom w0.25: SwD5.2 223.34,61.8 227.62,68.64 D_D5.2
Net-(D_D6-Pad2): length 12.4
  Bottom w0.25: 121.59,48.8 119.5,48.8 115.01,44.32 115.01,40.36
Net-(D_E0-Pad2): length 11.7
  Bottom w0.25: SwE0.2 3.32,48.96 10.24,53.29 D_E0.2
Net-(D_E1-Pad2): length 11.7
  Bottom w0.25: SwE1.2 21.8,48.96 28.72,53.29 D_E1.2
Net-(D_E2-Pad2): length 11.9
  Bottom w0.25: SwE2.2 40.35,49.3 46.86,53.36 D_E2.2
Net-(D_E3-Pad2): length 11.7
  Bottom w0.25: SwE3.2 58.74,48.96 65.66,53.29 D_E3.2
Net-(D_E4-Pad2): length 11.7
  Bottom w0.25: D_E4.2 82.27,45.19 75.35,40.86 SwE4.2
Net-(D_E5-Pad2): length 11.9
  Bottom w0.25: SwE5.2 92.03,33.1 98.54,37.17 D_E5.2
Net-(D_F0-Pad2): length 11.8
  Bottom w0.25: D_F0.2 142.74,35.86 138.52,29.11 SwF0.2
Net-(D_F1-Pad2): length 11.7
  Bottom w0.25: SwF1.2 155.14,37.14 159.42,43.98 D_F1.2
Net-(D_F2-Pad2): length 11.9
  Bottom w0.25: SwF2.2 171.69,45.51 175.75,52.01 D_F2.2
Net-(D_F3-Pad2): length 11.9
  Bottom w0.25: D_F3.2 194.23,52.01 190.16,45.51 SwF3.2
Net-(D_F4-Pad2): length 11.9
  Bottom w0.25: D_F4.2 212.7,52.01 208.63,45.51 SwF4.2
Net-(D_F5-Pad2): length 11.7
  Bottom w0.25: SwF5.2 227.17,45.24 231.44,52.07 D_F5.2
Net-(D_G1-Pad2): length 11.9
  Bottom w0.25: D_G1.2 93.02,20.99 86.51,16.93 SwG1.2
Net-(D_G2-Pad2): length 12
  Bottom w0.25: SwG2.2 126.43,9.2 130.46,15.65 D_G2.2
Net-(D_G3-Pad2): length 11.9
  Bottom w0.25: SwG3.2 144,13.1 148.08,19.63 D_G3.2
Net-(D_G7-Pad2): length 12
  Bottom w0.25: SwG7.2 104.06,12.9 110.54,16.95 D_G7.2

## Copper pours and planes (outline as drawn; the poured copper is in the pictures)
GND on Top, Bottom: 248,-1.68 -1.63,-1.68 -1.63,117.46 248,117.46

## Text on the board
B.Silkscreen: - | + | Reviung-ish56 LP v1.0 / piit79 / 42keebs.eu (2022) / Based on reviung_ish by oddkeeb
F.Mask: DON'T PANIC
F.Silkscreen: - | + | OFF | ON
